# Altium PCB PCB5_制版20140402.PcbDoc (part 5 of 5) (continued)
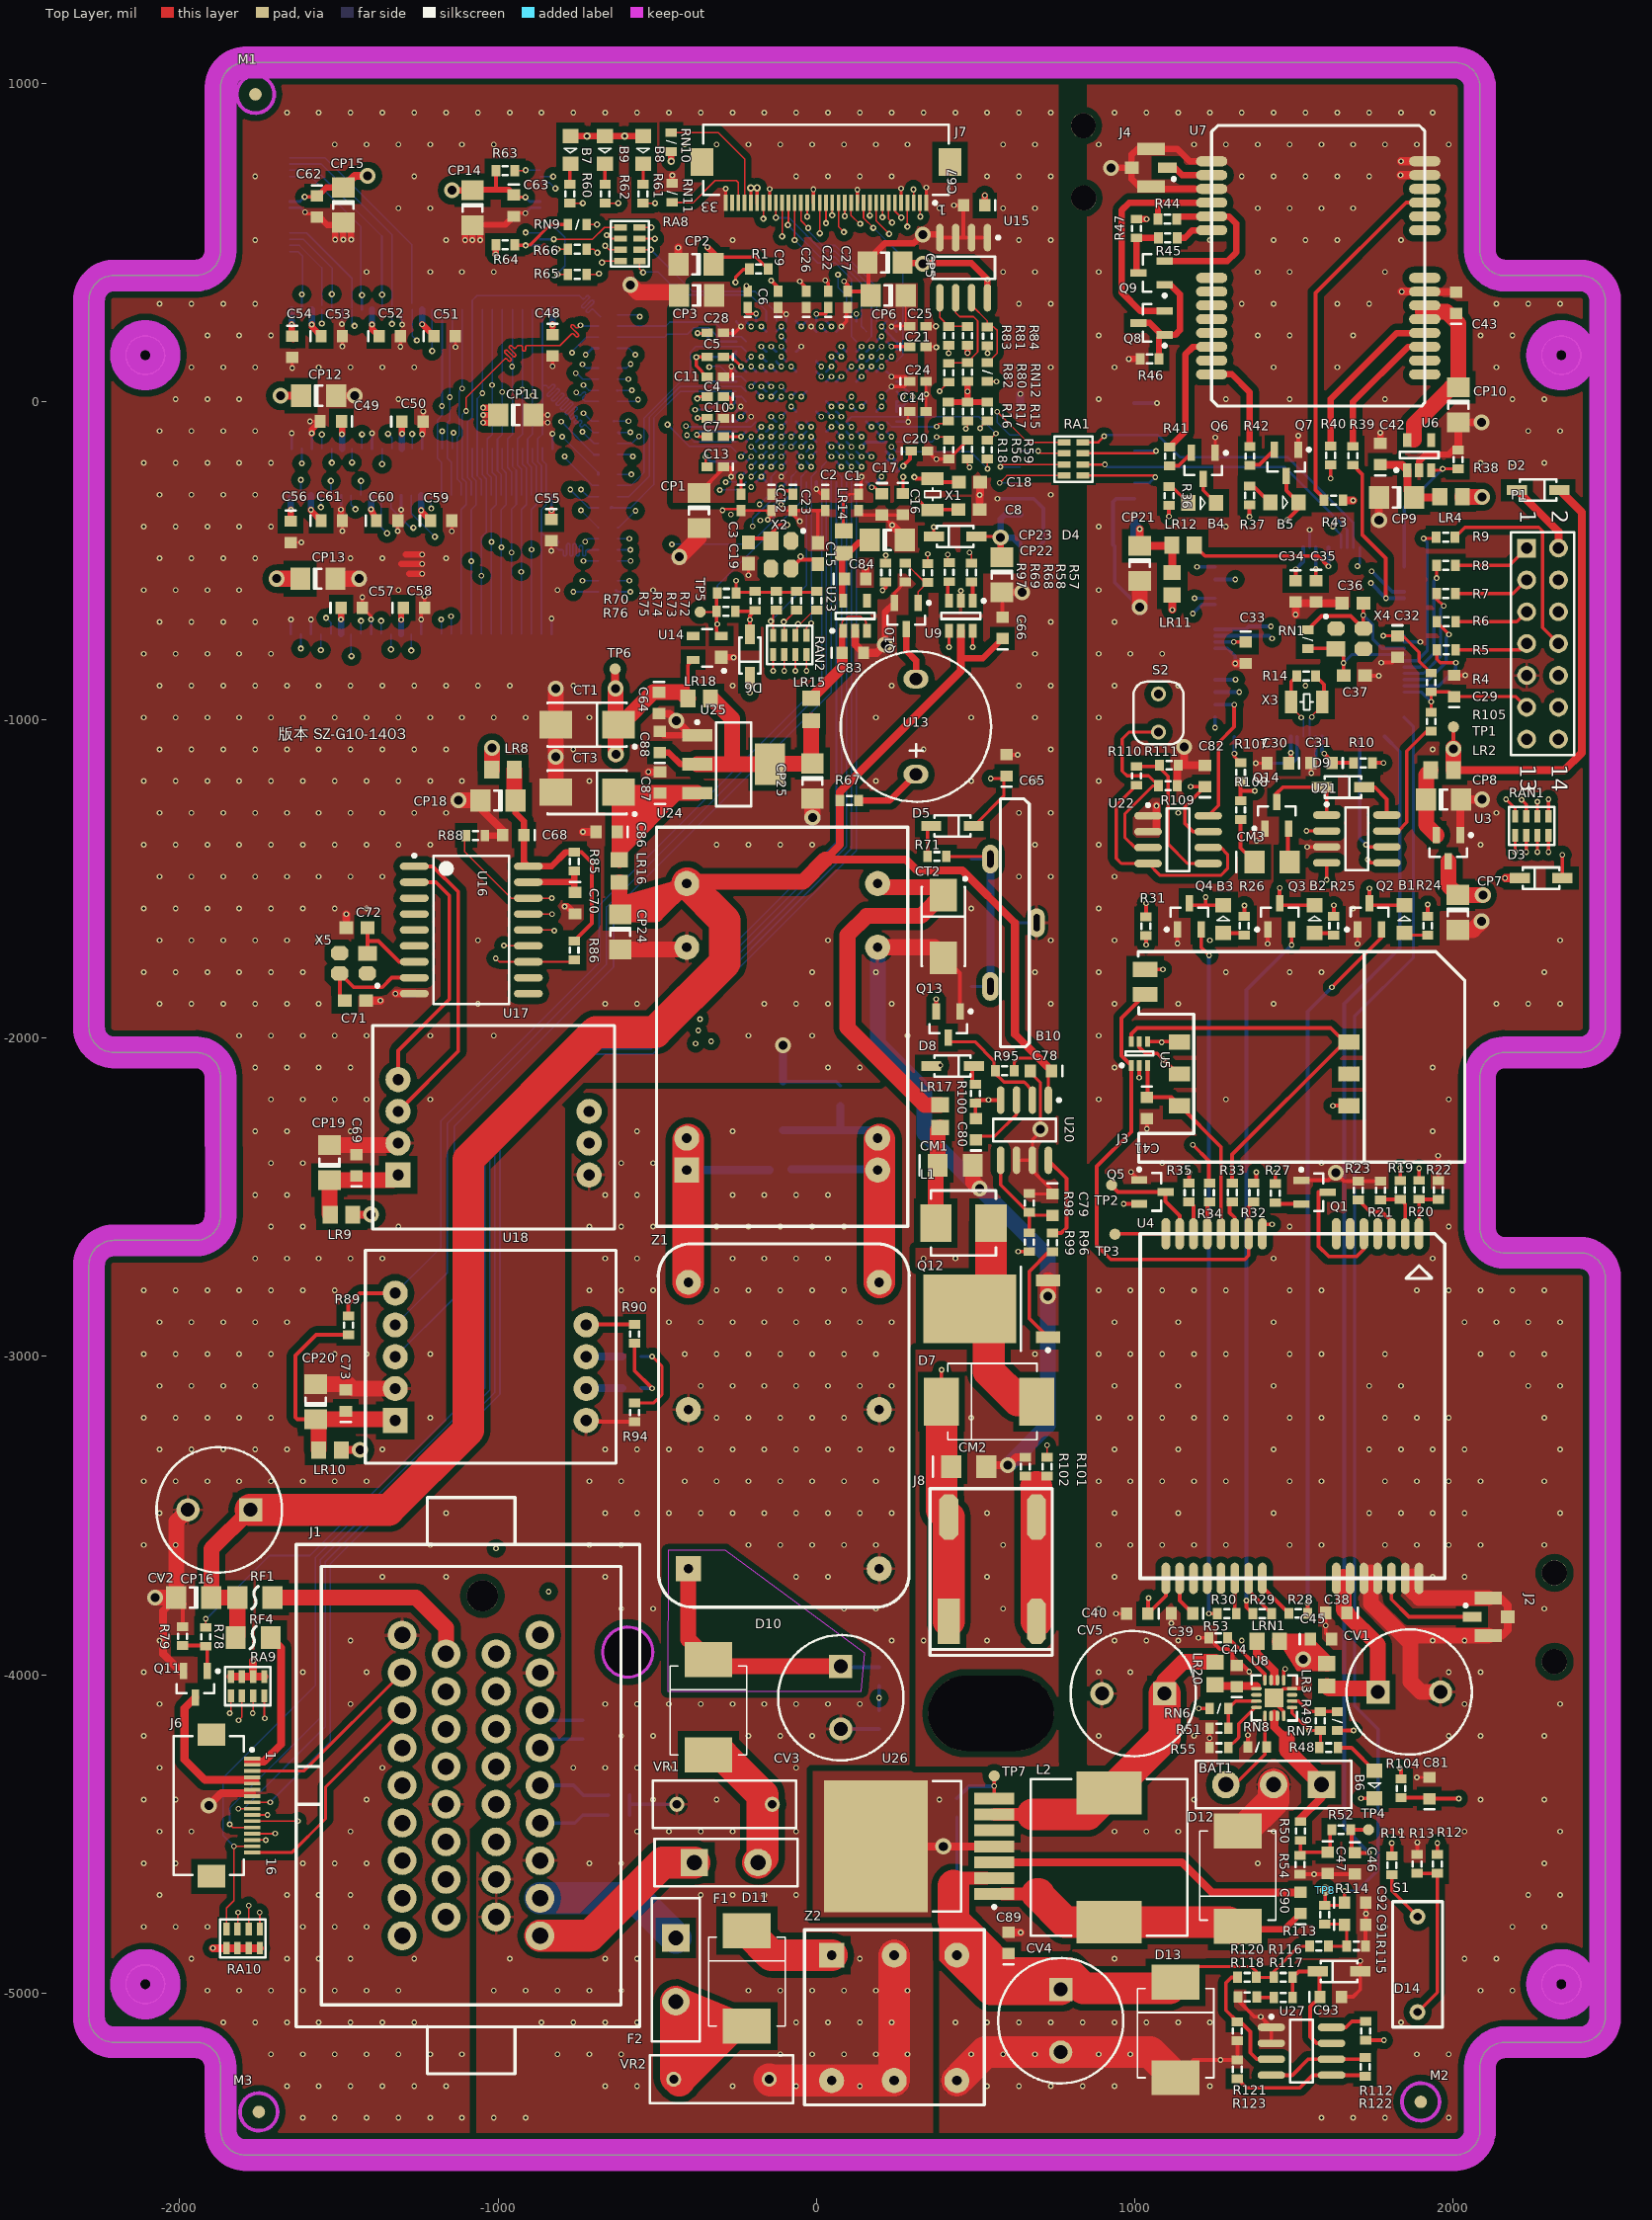
[diagram p0: Top Layer view]
## Nets (pads, with @x,y where several pads share a name; then routed paths per layer and width w, separated by ;. In a path a pad name is that pad's centre, name@x,y a point inside that pad or via, vN(x,y) a via of type N, cw(c..) or ccw(c..) an arc to the next point about the centre after c; other vN are vias at no path point) (continued)
  Top Layer w25: v1(-1896,-4859) RA10.1@-1853.5,-4859 RA10.2@-1818.5,-4859 RA10.3@-1783.5,-4859 RA10.4@-1748.5,-4859 ; RA9.4@-1839.5,-4006 RA9.3@-1804.5,-4006 RA9.2@-1769.5,-4006 ; v1(-1769.5,-3956.5) RA9.2@-1769.5,-4006 ; RA9.1@-1734.5,-4006 RA9.2@-1769.5,-4006 ; v4@-1699.28,-556.28 v4(-1695,-556.28) ; v4(-1683.28,18.72) CP12.1@-1618.36,18.72 ; LR10.1@-1492.57,-3294 v4@-1442,-3294 ; CP15.1@-1486,673.12 -1450.12,709 v4(-1410,709) ; LR9.1@-1456.57,-2555 v4@-1410,-2555 ; TP6.1@-632,-840 -632,-899.57 v4(-630.57,-901)
  Top Layer w50: v4(-1695,-556.28) CP13.1@-1621.36,-556.28 ; LR8.1@-1019.43,-1156 v4@-1019.43,-1091.43 ; v4@-630.57,-1107.43 -630.57,-1015 CT1.1@-621.57,-1015 -615,-1015 -512,-912 -424.43,-912 LR18.2@-403.43,-933 ; CT1.1@-630.57,-1010.57 v4(-630.57,-901)
  ADDR w12: v3(-1006.86,462.16) -1006.86,551.73 v3@-917.3,641.3
  Bottom Layer w5: U1.A9@-252.55,0 U1.A9@-251.97,0
  Bottom Layer w8: U12.37@-1655.02,628.57 -1621.96,628.57 v3(-1607.26,643.27) ; v3(-914.34,642.28) -900.63,628.57 U12.12@-867.62,628.57 ; v2(-832.05,-340.45) U11.27@-832.05,-293.5 ; v2(-268.01,-15.46) U1.A9@-252.55,0 ; v2(-236.22,-236.22) U1.B16@-220.47,-220.47 ; v2(-236.22,-173.23) U1.B14@-220.47,-157.48 ; v2(-236.22,-110.24) U1.B12@-220.47,-94.49 ; v2(-236.22,110.24) U1.B6@-220.47,94.49 ; U1.C1@-188.98,251.97 v2(-188.98,276.52) ; v2(-110.24,-269.68) -94.49,-253.94 U1.F17@-94.49,-251.97 ; v2(-47.24,-110.24) U1.H12@-31.5,-94.49 ; U1.H14@-31.5,-157.48 v2(-15.75,-141.73) ; U1.J1@0,251.97 v2(0,275.5) ; U1.K12@31.5,-94.49 v2(47.24,-78.74) ; U1.P14@157.48,-157.48 v2(173.23,-173.23) ; U1.T12@220.47,-94.49 v2(236.22,-110.24) ; U1.T3@220.47,188.98 v2(236.22,173.23) ; U1.U16@251.97,-220.47 270.16,-202.28 v3(272.76,-202.28)
  Bottom Layer w20: v2(-1650.94,-339.55) U11.1@-1650.94,-293.5 ; v2(-1647.94,242.45) U10.1@-1647.94,289.5 ; v2(-1587.95,-339.54) U11.3@-1587.95,-293.5 ; v2(-1584.95,242.46) U10.3@-1584.95,289.5 ; U11.49@-1493.46,-730.5 v2(-1493.46,-684.03) ; U10.49@-1490.46,-147.5 v2(-1490.46,-101.97) ; v2(-1398.98,-338.52) U11.9@-1398.98,-293.5 ; v2(-1395.98,242.48) U10.9@-1395.98,289.5 ; U11.43@-1304.49,-730.5 v2(-1304.49,-684.99) ; U10.43@-1301.49,-147.5 v2(-1301.49,-100.99) ; v2(-1241.5,-341) U11.14@-1241.5,-293.5 ; v2(-1238.5,243) U10.14@-1238.5,289.5 ; v2(-829.05,242.55) U10.27@-829.05,289.5 ; C77.1@638.54,-448 617.54,-427 v4(579,-427) 579,-369 593,-355 U19.1@640.87,-355
  other v4: -1434,-3294 -1399,-2554 -630,-1108 -1019.43,-1088.01 334,433
  other v6: -186,671.81
VDD5V: C66.1 C78.1 CP16.1 CP24.1 CV2.1 LR16.1 R67.2 R95.1 RF1.1 RF4.2 U9.5 U20.1 U24.14 | length 6804.1
  Top Layer w10: R95.1@621.53,-2102 621.53,-2075.47 634,-2063 699.46,-2063 ; U20.1@729,-2194.51 729,-2108.46 C78.1@734.46,-2103
  Top Layer w20: 454,-804 456,-806 523.46,-806 C66.1@585,-744.46
  Top Layer w25: U9.5@454,-720.24 454,-804 454,-846 74.23,-1225.77 R67.2@74.23,-1253.23 74.23,-1392.77 28.5,-1438.5 281.5,-1438.5 316,-1473 459,-1473 624,-1638 624,-1987.54 699.46,-2063 C78.1@739.46,-2103
  Top Layer w50: RF4.2@-1824.12,-3883 -1819.12,-3878 RF1.1@-1819.12,-3758 CP16.1@-1900.88,-3758 -1900.88,-3605.31 CV2.1@-1777.57,-3482 ; LR16.1@-619,-1510.43 -619,-1607.88 CP24.1@-616,-1610.88 -503.9,-1610.88 U24.14@-407.24,-1514.23 ; U24.14@-410,-1522 -403.5,-1515.5 -397,-1509 -42,-1509 28.5,-1438.5
  Top Layer w100: CV2.1@-1777.57,-3482 -1344,-3482 -1093.75,-3231.75 -1093.75,-2381.75 -693,-1981 -506,-1981 -288,-1763 -288,-1631 -403.5,-1515.5 U24.14@-406.01,-1512.99
VDD5V0: C86.1 C87.1 CT3.1 LR16.2 U25.3 | length 454.4
  Top Layer w50: LR16.2@-619,-1439.57 CT3.1@-619,-1229.57 ; CT3.1@-618.79,-1229.78 U25.3@-374.42,-1229.78
VDD12V: CM1.1 L1.1 LR17.2 | length 312.2
  Top Layer w50: L1.1@375.39,-2581 375.39,-2398.5 CM1.1@380.88,-2393 ; CM1.1@380.88,-2399 CM1.1@380.88,-2393 ; LR17.2@389,-2280.43 380.88,-2288.55 CM1.1@380.88,-2393
VDD24V: CV3.1 D10.2 R103.1 Z1.1 | length 827.1
  Top Layer w50: Z1.1@-402.24,-3667.23 -402.24,-3889.23 D10.2@-339.24,-3952.23 ; D10.2@-317.61,-3973.86 CV3.1@76.76,-3973.86
  Bottom Layer w12: CV3.1@76.76,-3973.86 79.5,-3976.6 R103.1@197.22,-3976.6
VDD_EXT_2.8V: C40.1 R32.1 U4.16 | length 1699.8
  Top Layer w12: v1(1044,-3759) 1042.22,-3760.78 C40.1@1042.22,-3808.23 1098.22,-3752.23 U4.16@1098.22,-3697.23 ; R32.1@1374.33,-2455.47 1382,-2447.8 v1(1382,-2421)
  ADDR w12: v1(1044,-3759) 1044,-2759 v1(1382,-2421)
VDD_RTC: C65.1 D4.2 D5.2 U1.N15 | length 1499.5
  Top Layer w10: D4.2@369.07,-424 v1@369.07,-394.07 ; D5.2@494.69,-1333.23 589.54,-1238.38 589.54,-1184 v1(548,-1184)
  ADDR w10: v2(141.73,-204.72) 210.29,-273.28 329.28,-273.28 369,-313 v1(369,-394) 548,-573 v1(548,-1184)
  Bottom Layer w8: U1.N15@125.99,-188.98 v2(141.73,-204.72)
VGPRS4V4: C38.1 CV1.1 LR3.2 U4.24 U4.25 | length 573.8
  Top Layer w50: LR3.2@1603.76,-4035.66 1611.09,-4043 1753.1,-4043 CV1.1@1764.33,-4054.23 1764.33,-3906.33 C38.1@1665.73,-3807.73 ; 1655,-3693 1657,-3695 1657,-3795.54 C38.1@1667.46,-3806
VGPS3V3: C43.1 CP10.1 U6.5 U7.5 U7.6 | length 564.1
  Top Layer w50: 1877.35,-119.98 1877.35,-71.65 1993.89,44.89 CP10.1@2016.76,44.89 2016.76,245.84 1979.6,283 1905,283
VJTAG: P1.4
VOUT: C45.1 CP7.1 LR3.1 LR4.1 LRN1.2 R11.1 U3.3 | length 1167.4
  Top Layer w10: R11.1@1808,-4569.17 v1(1808,-4529)
  Top Layer w50: LRN1.2@1455.19,-3895.23 1534.19,-3895.23 LR3.1@1603.76,-3964.79 ; U3.3@1985.76,-1444.57 1985.76,-1519.99 CP7.1@2015.76,-1549.99 v4(2093.99,-1549.99) ; LR4.1@2029.43,-299 v4(2091,-299)
  DATA w12: v4(1530,-3952) 1530,-3971 1808,-4249 v1(1808,-4529)
VUSB5V: 
WAKE_UP: R41.1 U7.26 | length 404
  Top Layer w20: R41.1@1110,-142.47 1159,-93.47 1159,148 1183.42,172.42 U7.26@1242.11,172.42
WDI: U2.5 U21.6 | length 416.1
  Top Layer w10: v1(1727,-1392) 1734,-1399 U21.6@1792.49,-1399
  Bottom Layer w10: U2.5@1707.24,-1052.47 1707.24,-1372.24 v1(1727,-1392)
XRST: D3.2 J1.11 | length 7548.6
  Top Layer w25: v1(2164,-1497) D3.2@2210.07,-1497
  DATA w10: J1.11@-1163.36,-4643.15 -1079,-4727.51 -1079,-4978 -722,-5335 1372,-5335 2109,-4598 2109,-3250 1665,-2806 1665,-2117.5 2164,-1618.5 v1(2164,-1497)
XTAL2_IN: C36.1 RN1.2 U2.89 X4.3 | length 488
  Top Layer w12: RN1.2@1544,-716.47 1587.47,-673 1678.8,-673 X4.3@1718.46,-712.66 ; C36.1@1718.46,-633 v1(1718.46,-671) X4.3@1718.46,-712.66 ; X4.3@1719.31,-713.5 X4.3@1718.46,-712.66
  Bottom Layer w10: v1(1718.46,-671) 1749,-701.54 1749,-747 1776.91,-774.91 U2.89@1847,-774.91
XTAL2_OUT: C37.1 RN1.1 U2.90 X4.1 | length 384.9
  Top Layer w10: RN1.1@1544,-775.53 1631.72,-775.53 X4.1@1632.69,-776.5 1656.54,-800.34 v1(1656.54,-821) C37.1@1656.54,-861
  Bottom Layer w10: v1(1656.54,-821) 1682.94,-794.6 U2.90@1847,-794.6
XTAL_IN: R14.2 U2.13 X3.2 | length 213.4
  Top Layer w5: v1@1549.76,-994.23 X3.2@1594.97,-949.02
  Top Layer w12: R14.2@1568.53,-862 1594.97,-888.44 X3.2@1594.97,-942.23
  Bottom Layer w5: U2.13@1549.76,-1052.47 v1@1549.76,-994.23
  other v1: 1556.76,-991.23
XTAL_OUT: R14.1 U2.14 X3.1 | length 213.8
  Top Layer w5: X3.1@1496.54,-943.23 1496.54,-964.02 1524.76,-992.23 v1(1523.76,-992.23)
  Top Layer w12: X3.1@1491.54,-943.23 1491.54,-879.93 R14.1@1509.47,-862
  Bottom Layer w5: v1(1523.76,-992.23) 1524.76,-992.23 1530.07,-997.54 U2.14@1530.07,-1052.47
XTCK: J1.2 RAN1.4 | length 8080
  Top Layer w10: v1(2300.5,-1415) RAN1.4@2300.5,-1363
  DATA w10: J1.2@-1301.16,-4702.21 -1375,-4776.05 -1375,-4880.49 -791.49,-5464 1423,-5464 2243,-4644 2243,-3197 1800,-2754 1800,-2155 2300.5,-1654.5 v1(2300.5,-1415)
XTDI: J1.3 RAN1.2 | length 7945.7
  Top Layer w10: v1(2230.5,-1415) RAN1.2@2230.5,-1363
  DATA w10: J1.3@-1301.16,-4584.1 -1231,-4654.25 -1231,-4925.5 -758.5,-5398 1400,-5398 2176,-4622 2176,-3218 1730,-2772 1730,-2137 2230.5,-1636.5 v1(2230.5,-1415)
XTDO: J1.10 RAN1.1 | length 7617.5
  Top Layer w10: v1(2195.5,-1415) RAN1.1@2195.5,-1363
  DATA w10: J1.10@-1163.36,-4761.26 -1162,-4762.62 -1162,-4945 -740,-5367 1386,-5367 2143,-4610 2143,-3232 1695,-2784 1695,-2130.5 2195.5,-1630 v1(2195.5,-1415)
XTIPLL: C15.1 U1.G14 X2.3 | length 462.5
  Top Layer w12: X2.3@-79.75,-524.54 -51.9,-496.69 ; v5(-49.24,-486.23) -49.24,-494.03 -51.9,-496.69 ; C15.1@4.76,-510.69 -9.24,-496.69 -51.9,-496.69
  ADDR w5: v5(-49.24,-486.23) -31.5,-468.48 -31.5,-188.98 v2(-47.24,-173.23)
  Bottom Layer w8: U1.G14@-62.99,-157.48 v2(-47.24,-173.23)
XTIRTC: C8.1 U1.M14 X1.2 | length 467.2
  Top Layer w10: v1(318,-307) 351.21,-340.21 X1.2@365,-340.21 366.21,-339 C8.1@446.54,-339
  ADDR w5: v2(110.24,-173.23) 125.74,-188.73 125.74,-255.26 177.47,-307 v1(318,-307)
  Bottom Layer w8: U1.M14@94.49,-157.48 v2(110.24,-173.23)
XTMS: J1.1 RAN1.3 | length 7805.3
  Top Layer w10: v1(2265.5,-1415) RAN1.3@2265.5,-1363
  DATA w10: J1.1@-1301.16,-4820.32 -1301.16,-4904.84 -773.99,-5432 1411.5,-5432 2208,-4635.5 2208,-3207 1765,-2764 1765,-2146 2265.5,-1645.5 v1(2265.5,-1415)
XTOPLL: C19.1 U1.G15 X2.1 | length 368.1
  Top Layer w12: C19.1@-215,-429.76 X2.1@-155.95,-429.76 ; X2.1@-142.74,-437.92 -142.74,-414.72 -115.24,-387.23 v5(-91.24,-387.23)
  ADDR w5: v5(-91.24,-387.23) -47.24,-343.23 v2(-47.24,-204.72)
  Bottom Layer w8: U1.G15@-62.99,-188.98 v2(-47.24,-204.72)
XTORTC: C18.1 U1.L12 X1.1 | length 467.5
  Top Layer w12: v5(308,-237) 312.79,-241.79 X1.1@365,-241.79 376.21,-253 C18.1@447.54,-253 C18.1@436.32,-241.79
  ADDR w5: v2(78.74,-110.24) 94.49,-125.98 158.06,-125.98 250.36,-218.28 291.76,-218.28 308,-234.53 v5(308,-237)
  Bottom Layer w8: U1.L12@62.99,-94.49 v2(78.74,-110.24)
pads on no net: J1. J1.12 J1.20 J1.21 J3.3@1086.26,-2347.23 J3.6 J6.17 J6.18 J7.32 J7.34 J7.35 M1.1 M2.1 M3.1 P1.6 P1.10 P1.12 P1.13 P1.14 RA7.3 RA7.4 RA7.5 RA7.6 U1.B2 U1.C2 U1.C3 U1.C4 U1.C5 U1.C9 U1.C10 U1.D3 U1.D9 U1.D10 U1.D11 U1.E3 U1.E7 U1.E10 U1.F6 U1.F7 U1.F9 U1.G2 U1.G3 U1.G5 U1.G7 U1.G9 U1.H2 U1.H3 U1.H4 U1.H5 U1.H6 U1.H7 U1.H9 U1.H10 U1.J3 U1.J4 U1.J8 U1.J9 U1.J12 U1.K3 U1.K4 U1.K8 U1.K11 U1.L1 U1.L3 U1.L6 U1.L8 U1.M2 U1.M3 U1.M5 U1.M7 U1.M8 U1.M10 U1.N2 U1.N8 U1.N13 U1.P1 U1.P7 U1.P8 U1.P10 U1.P15 U1.P16 U1.R2 U1.R7 U1.R8 U1.R9 U1.R14 U1.R15 U1.R16 U1.T4 U1.T7 U1.T16 U1.T17 U1.U6 U1.U12 U1.U17 U2.17 U2.52 U2.55 U2.56 U2.58 U4.4 U4.6 U4.7 U4.18 U4.19 U4.20 U6.4 U7. U7.1 U7.2 U7.3@1796.76,50.45 U7.8 U7.9 U7.10 U7.12 U7.21 U7.22 U7.23 U7.24 U7.25 U7.27 U8.12@1388.76,-4123.23 U8.14 U10.40 U11.40 U12.1 U12.2 U12.3 U12.4 U12.5 U12.6 U12.10 U12.11 U12.14 U12.15 U12.20 U12.21 U12.22 U12.23 U12.24 U12.25 U12.26 U12.27 U12.28 U12.33 U12.34 U12.35 U12.38 U12.39 U12.40 U12.45 U12.46 U12.47 U12.48 U14.3 U16.3 U16.4 U16.5 U16.6 U16.10 U16.11 U19.7 U19.10 U23.4 U26.5 X2.2 X2.4 X4.2 X4.4 X5.2 X5.4

## Polygon pours and split planes (outlines as drawn)
DGND on Bottom Layer "Bottom Layer-DGND" (solid, remove dead copper, pour order 10): -1078.54,-5459.21 -1079.75,-5458 -2301,-5458 -2301,669.65 -1902.08,1068.57 808,1068.57 808,-4277.6 797.91,-4287.69 312.09,-4287.69 312.09,-2168.62 292.02,-2148.55 282.38,-2138.91 -731.55,-2138.91 -801.38,-2208.75 -789.34,-2220.78 -789.34,-3998.47 -789.34,-4185.47 -1083.64,-4479.76 -1088.73,-4484.86 -1088.73,-5450.87
EGND on Bottom Layer "Bottom Layer-EGND" (solid, remove dead copper, pour order 12): -1083,-5524 -1088.73,-5518.27 -1088.73,-4485.62 -1084.62,-4485.62 -782,-4183 -789.34,-4175.66 -789.34,-2220.78 -789.34,-2202.34 -729,-2142 -725.91,-2138.91 282.38,-2138.91 282.38,-2149 312.09,-2178.71 312.09,-4283.53 -20.53,-4283.53 -31,-4294 -31,-4739 -31,-4772 -21,-4782 366,-4782 366,-5518 359,-5525 359,-5526
GGND on Bottom Layer "Bottom Layer-GGND" (solid, remove dead copper, pour order 14): 350,-5523 361.05,-5511.95 361.05,-4777.62 -23.63,-4777.62 -26.24,-4780.23 -23.69,-4777.68 -23.69,-4298.33 797.45,-4298.33 798,-4297.78 806,-4289.78 806,1042 2273,1042 2276,1039 2481.57,833.42 2484.92,833.42 2484.92,-5505.43
GGND on Top Layer "Top Layer-GGND" (solid, remove dead copper, pour order 13): 350,-5523 361.05,-5511.95 361.05,-4777.62 -23.63,-4777.62 -26.24,-4780.23 -23.69,-4777.68 -23.69,-4298.33 797.45,-4298.33 798,-4297.78 806,-4289.78 806,1042 2273,1042 2276,1039 2481.57,833.42 2484.92,833.42 2484.92,-5505.43
EGND on Top Layer "Top Layer-EGND" (solid, remove dead copper, pour order 11): -1083,-5524 -1088.73,-5518.27 -1088.73,-4485.62 -1084.62,-4485.62 -782,-4183 -789.34,-4175.66 -789.34,-2220.78 -789.34,-2202.34 -729,-2142 -725.91,-2138.91 282.38,-2138.91 282.38,-2149 312.09,-2178.71 312.09,-4283.53 -20.53,-4283.53 -31,-4294 -31,-4739 -31,-4772 -21,-4782 366,-4782 366,-5518 359,-5525 359,-5526
DGND on Top Layer "Top Layer-DGND" (solid, remove dead copper, pour order 9): -1078.54,-5459.21 -1079.75,-5458 -2301,-5458 -2301,669.65 -1902.08,1068.57 808,1068.57 808,-4277.6 797.91,-4287.69 312.09,-4287.69 312.09,-2168.62 292.02,-2148.55 282.38,-2138.91 -731.55,-2138.91 -801.38,-2208.75 -789.34,-2220.78 -789.34,-3998.47 -789.34,-4185.47 -1083.64,-4479.76 -1088.73,-4484.86 -1088.73,-5450.87
VDD1.3V on Top Layer "Top Layer-VDD1.3V" (solid, remove dead copper, pour order 8): -446.44,377 -450,373.81 -450,-318 319,-318 319,371.29
EGND on GND (split plane): 291.91,-2167.18 291.91,-4287.69 -30,-4287.69 -32.61,-4288.03 -35.04,-4289.04 -37.13,-4290.64 -38.74,-4292.73 -39.74,-4295.17 -40.09,-4297.78 -40.09,-4779.02 -39.74,-4781.63 -38.74,-4784.06 -37.13,-4786.15 -35.93,-4787.36 -33.84,-4788.96 -33.12,-4789.26 -31.4,-4789.97 -28.79,-4790.31 339.91,-4790.31 339.91,-5459.21 -1078.54,-5459.21 -1078.54,-4481.88 -935.35,-4338.68 -934.24,-4337.03 -933.85,-4335.08 -933.85,-4150.18 -785.86,-4002.19 -784.16,-4000.89 -782.56,-3998.8 -781.55,-3996.37 -781.21,-3993.76 -781.21,-2212.92 -727.37,-2159.09 283.82,-2159.09
GGND on GND (split plane): 194 vertices, not listed, extent -19.91,-5459.24 2428.32,1015.53
DGND on GND (split plane): 211 vertices, not listed, extent -2235.36,-5459.24 797.91,1015.53
VOUT on VCC (split plane): 1964.84,475.03 1964.85,474.82 1965.21,463.02 1966.29,451.06 1968.1,439.19 1970.62,427.45 1973.85,415.88 1977.76,404.52 1982.36,393.43 1987.62,382.63 1993.52,372.17 2000.04,362.08 2007.16,352.41 2014.85,343.18 2023.08,334.43 2031.83,326.2 2041.05,318.51 2050.73,311.4 2060.81,304.87 2071.27,298.97 2082.07,293.72 2093.17,289.12 2104.52,285.2 2116.09,281.98 2127.83,279.46 2139.71,277.65 2151.67,276.56 2163.47,276.21 2163.67,276.2 2358.28,276.2 2358.28,-1924.56 2163.67,-1924.56 2163.47,-1924.57 2151.67,-1924.93 2139.71,-1926.02 2127.83,-1927.82 2116.09,-1930.34 2104.52,-1933.57 2093.17,-1937.49 2082.07,-1942.08 2071.27,-1947.34 2060.81,-1953.24 2050.73,-1959.76 2041.05,-1966.88 2031.83,-1974.57 2023.08,-1982.8 2014.85,-1991.55 2007.16,-2000.77 2000.04,-2010.45 1993.52,-2020.53 1987.62,-2031 1982.36,-2041.79 1977.76,-2052.89 1973.85,-2064.24 1970.62,-2075.81 1968.1,-2087.56 1966.29,-2099.43 1965.21,-2111.39 1964.85,-2123.19 1964.84,-2123.4 1964.84,-2595.84 1964.85,-2596.05 1965.21,-2607.84 1966.29,-2619.8 1968.1,-2631.68 1970.62,-2643.42 1973.85,-2654.99 1977.76,-2666.34 1982.36,-2677.44 1987.62,-2688.24 1993.52,-2698.7 2000.04,-2708.79 2007.16,-2718.46 2014.85,-2727.69 2023.08,-2736.43 2031.83,-2744.67 2041.05,-2752.35 2050.73,-2759.47 2060.81,-2765.99 2071.27,-2771.89 2082.07,-2777.15 2093.17,-2781.75 2104.52,-2785.67 2116.09,-2788.89 2127.83,-2791.41 2139.71,-2793.22 2151.67,-2794.31 2163.47,-2794.66 2163.67,-2794.67 2358.28,-2794.67 2358.28,-4290.68 809.85,-4290.68 809.85,867.5 1964.84,867.5
VCC on VCC (split plane): 2032.9,-399.11 2032.9,-1719.9 940.1,-1719.9 940.1,-270.1 1903.89,-270.1
VDD3V3 on VCC (split plane): 1964.84,877.7 808.25,877.7 806.71,878.73 804.76,879.11 -1725.53,879.11 -1727.48,878.73 -1729.13,877.62 -1751.67,855.08 -1751.67,945.49 1964.84,945.49
GGND on VCC (split plane): 2358.28,-5034.8 2163.67,-5034.8 2163.47,-5034.81 2151.67,-5035.17 2139.71,-5036.25 2127.83,-5038.06 2116.09,-5040.58 2104.52,-5043.81 2093.17,-5047.72 2082.07,-5052.32 2071.27,-5057.58 2060.81,-5063.48 2050.73,-5070 2041.05,-5077.12 2031.83,-5084.81 2023.08,-5093.04 2014.85,-5101.79 2007.16,-5111.01 2000.04,-5120.69 1993.52,-5130.77 1987.62,-5141.23 1982.36,-5152.03 1977.76,-5163.13 1973.85,-5174.48 1970.62,-5186.05 1968.1,-5197.79 1966.29,-5209.67 1965.21,-5221.63 1964.85,-5233.43 1964.84,-5233.63 1964.84,-5363.45 352.31,-5363.45 352.31,-4781.23 352.11,-4780.25 351.56,-4779.43 350.56,-4778.43 349.73,-4777.87 348.76,-4777.68 -23.69,-4777.68 -23.69,-4297.78 293.25,-4297.78 293.78,-4298.13 294.76,-4298.33 804.76,-4298.33 805.73,-4298.13 806.71,-4297.94 808.36,-4296.83 809.07,-4295.78 2358.28,-4295.78
EGND on VCC (split plane): 292.02,-2999.23 292.21,-3000.17 292.21,-4292.68 -26.24,-4292.68 -27.22,-4292.87 -28.05,-4293.43 -28.6,-4294.25 -28.79,-4295.23 -28.79,-4780.23 -28.6,-4781.2 -28.05,-4782.03 -27.22,-4782.58 -26.24,-4782.78 347.21,-4782.78 347.21,-5363.45 -1430.9,-5363.45 -1430.9,-4937.59 -1084.43,-4591.11 -814,-4591.11 -812.05,-4590.73 -810.4,-4589.62 -809.29,-4587.97 -808.9,-4586.02 -809.29,-4584.07 -810.4,-4582.41 -811.45,-4581.71 -811.45,-2235.06 -724.94,-2148.55 292.02,-2148.55
VDD3V3 on VCC (split plane): -2034.6,-5034.8 -2165.32,-5034.8 -2165.32,-2755.37 -2034.6,-2755.37
VDD3V3 on VCC (split plane): -2034.6,-1924.56 -2165.32,-1924.56 -2165.32,276.2 -2034.6,276.2
VDD3V3 on VCC (split plane): 1964.84,-5389.2 -1751.67,-5389.2 -1751.67,-5373.64 1964.84,-5373.64
VDD3V3 on VCC (split plane): 203 vertices, not listed, extent -2024.4,-5363.45 799.66,868.92

## Keep-outs
Top Layer:
  region net VDD24V: -466,-3610 -467,-4052 142,-4052 152,-3932 -286,-3609
Keep-Out Layer:
  circle w94.49: c2340.58,145.83 r62.99
  circle w94.49: c2340.58,-4972.28 r62.99
  circle w94.49: c-2108.24,145.83 r62.99
  circle w94.49: c-2108.24,-4972.28 r62.99
  circle w10: c-592.49,-3928.98 r78.74
  lines w100: -2285.41,-5076.15 ccw(c-2206.67,-5076.15) -2206.67,-5154.89 -1950.5,-5154.89 cw(c-1950.5,-5233.63) -1871.76,-5233.63 -1871.76,-5430.55 ccw(c-1793.02,-5430.55) -1793.02,-5509.29 2005.93,-5509.29 ; -2285.41,-5075.24 -2285.41,-2714.02 cw(c-2206.67,-2714.02) -2206.67,-2635.28 -1950.5,-2635.28 ccw(c-1950.5,-2556.54) -1871.76,-2556.54 ; -1871.03,-2557.52 -1871.76,-2123.4 ccw(c-1950.5,-2123.4) -1950.5,-2044.66 -2206.67,-2044.66 cw(c-2206.67,-1965.92) -2285.41,-1965.92 -2285.41,317.55 cw(c-2206.67,317.55) -2206.67,396.29 -1950.5,396.29 ccw(c-1950.5,475.03) -1871.76,475.03 -1871.76,986.84 cw(c-1793.02,986.84) -1793.02,1065.58 2006.19,1065.58 cw(c2006.19,986.84) 2084.93,986.84 2084.93,475.03 ccw(c2163.67,475.03) 2163.67,396.29 2399.63,396.29 cw(c2399.63,317.55) 2478.37,317.55 2478.37,-1965.92 cw(c2399.63,-1965.92) 2399.63,-2044.66 2163.67,-2044.66 ccw(c2163.67,-2123.4) 2084.93,-2123.4 2084.93,-2595.84 ccw(c2163.67,-2595.84) 2163.67,-2674.58 2399.63,-2674.58 cw(c2399.63,-2753.32) 2478.37,-2753.32 ; 2006.19,-5509.29 ccw(c2006.19,-5430.55) 2084.93,-5430.55 2084.93,-5233.63 cw(c2163.67,-5233.63) 2163.67,-5154.89 2399.63,-5154.89 ccw(c2399.63,-5076.15) 2478.37,-5076.15 2478.37,-2755.37
Mechanical 5:
  circle w10: c-2162.14,-6134.84 r137.8

## Other copper
Top Layer:
  region net VDD5V0: -607,-1249 -607,-1418 -601,-1424 -420,-1243 -417,-1243
  region net VOUT: 1457,-3905 1510,-3988 1603.76,-3989 1604,-3989 1519,-3904 1458,-3904
  region net VCC24V: 385,-4654 386,-4897 457,-4967 496,-4929 496,-4799
  region net NetD11_1: -463,-4989 -437,-4977 -226,-5064 -226,-5072 -388,-5234
  region net VDD5V: -439.99,-1509.44 -443,-1505 -600,-1550 -601,-1547 -601,-1588 -593,-1596 -508,-1596
  pour cut-out: -233,377 210,377 210,312 -232,312 -233,311
GND (plane layer: these items are gaps in the copper):
  lines w10: -1083.64,-5504.43 -2303.08,-5504.43 -2303.08,667.57 -1902.08,1068.57 808,1068.57 ; -789.34,-3998.47 -938.95,-4148.07 -938.95,-4335.08 -1083.64,-4479.76 -1083.64,-5505.43 240.1,-5505.43 ; 871.09,1063.47 2082.53,1063.47 2484.92,661.08 2484.92,-5505.43 ; 240.1,-5505.43 2484.92,-5505.43 ; 240.1,-5505.43 2484.92,-5505.43
  lines w20: -791.3,-3993.76 -791.3,-2208.75 -731.55,-2149 288,-2149 302,-2163 302,-4288.53 ; 350,-5523 350,-4781.53 351.31,-4780.23 -28.79,-4780.23 -30,-4779.02 -30,-4297.78 806.71,-4297.78 ; 808,-4298.13 808,1068.57
VCC (plane layer: these items are gaps in the copper):
  lines w5: -814,-4586.02 -814,-2234 -726,-2146 292.02,-2146 ; 294.57,-2999.23 294.57,-2146 ; 294.76,-4295.78 804.76,-4295.78 ; 294.76,-2999.23 294.76,-4295.23 -26.24,-4295.23 -26.24,-4780.23 348.76,-4780.23 349.76,-4781.23 349.76,-5364.54 ; 380.92,-5368.54 382.92,-5366.54 ; 804.76,-4293.23 2488,-4293.23
  lines w10: -1701.75,349.96 -1701.75,-824.25 -515.74,-824.25 ; -1701.75,355.06 -1701.75,872.05 -1699.78,874.02 -817.91,874.02 ; -1436,-5364.61 -1436,-4935.47 -1086.54,-4586.02 -814,-4586.02 ; -823.79,349.96 -823.79,868.14 ; -500.98,538.39 -499.02,540.35 ; 773.76,872.6 2065.97,872.6 ; 804.76,-4293.23 804.76,874.02 -1725.53,874.02 -2029.5,570.04 -2029.5,-5368.54 2065.97,-5368.54 ; 935,-1725 935,-265 1906,-265 2038,-397 2038,-1725 935,-1725

## Silkscreen, mask and mechanical layers (free items; w line width, h text height)
Top Overlay:
  text "版本 SZ-G10-1403" at -1690,-1073 h60
Bottom Solder:
  lines w47.24: -355,-353.66 -355,-187 ; -354.33,-354.33 -307.33,-354.33 ; -354.33,282 -354.33,301 ; -149,354.33 33,354.33 ; 160,-356 352.66,-356 ; 304,354.33 354.33,354.33 354.33,78 ; 354.33,-273 355,-191
PCB Boundary 1:
  lines w5: -2285.41,-5076.15 ccw(c-2206.67,-5076.15) -2206.67,-5154.89 -1950.5,-5154.89 cw(c-1950.5,-5233.63) -1871.76,-5233.63 -1871.76,-5430.55 ccw(c-1793.02,-5430.55) -1793.02,-5509.29 2005.93,-5509.29 ; -2285.41,-5075.24 -2285.41,-2714.02 cw(c-2206.67,-2714.02) -2206.67,-2635.28 -1950.5,-2635.28 ccw(c-1950.5,-2556.54) -1871.76,-2556.54 ; -1871.03,-2557.52 -1871.76,-2123.4 ccw(c-1950.5,-2123.4) -1950.5,-2044.66 -2206.67,-2044.66 cw(c-2206.67,-1965.92) -2285.41,-1965.92 -2285.41,317.55 cw(c-2206.67,317.55) -2206.67,396.29 -1950.5,396.29 ccw(c-1950.5,475.03) -1871.76,475.03 -1871.76,986.84 cw(c-1793.02,986.84) -1793.02,1065.58 2006.19,1065.58 cw(c2006.19,986.84) 2084.93,986.84 2084.93,475.03 ccw(c2163.67,475.03) 2163.67,396.29 2399.63,396.29 cw(c2399.63,317.55) 2478.37,317.55 2478.37,-1965.92 cw(c2399.63,-1965.92) 2399.63,-2044.66 2163.67,-2044.66 ccw(c2163.67,-2123.4) 2084.93,-2123.4 2084.93,-2595.84 ccw(c2163.67,-2595.84) 2163.67,-2674.58 2399.63,-2674.58 cw(c2399.63,-2753.32) 2478.37,-2753.32 ; 2006.19,-5509.29 ccw(c2006.19,-5430.55) 2084.93,-5430.55 2084.93,-5233.63 cw(c2163.67,-5233.63) 2163.67,-5154.89 2399.63,-5154.89 ccw(c2399.63,-5076.15) 2478.37,-5076.15
Gerber ID 2:
  lines w10: -2283.44,-5248.47 -1919.27,-5248.47
Mechanical 5:
  circle w10: c2402.91,-1584.81 r78.74
  circle w10: c2404.79,-3993.69 r137.8
  circle w10: c-2162.14,-4006.07 r137.8
  circle w10: c-2162.14,-6134.84 r62.99
  circle w10: c2340.58,-4972.28 r137.8
  circle w10: c2340.58,145.83 r78.74
  circle w10: c-2162.4,-5568.35 r78.74
  circle w5: c313.28,-1021.03 r229.39
  lines w10: -4574.05,-9600.84 -4574.05,-1998.95 ; -3931.05,-9136.84 -3931.05,-1534.95 ; -3896.05,-8396.84 -3896.05,-794.95 ; -2319.62,-6134.84 -2162.14,-6134.84 ; -2319.62,-3848.58 2168.57,-3848.58 ; -2319.62,-1722.6 -2024.35,-1722.6 -2024.35,-1447.01 -2319.62,-1447.01 ; -1918.05,-6269.84 -1918.05,1332.05 ; -1918.05,1702.6 2168.57,1702.6 ; -1729.07,-6269.84 -1729.07,816.77 ; -1715.07,875.82 2073.38,875.82 ; -1571.59,-4425.08 -1650.33,-4425.08 -1650.33,-4267.6 -1571.59,-4267.6 ; 327.66,1997.87 -2319.62,1997.87 -2319.62,-6269.84 -2319.62,-6640.4 -2437.73,-6640.4 -2437.73,-6269.84 2680.38,-6269.84 ; 2064.24,-6239.84 2064.24,1649.6 ; 2168.57,-6269.84 2168.57,1734.6 ; 2188.25,-2689.84 2562.27,-2689.84 ; 2560.39,-1722.6 2186.38,-1722.6 2186.38,-1447.01 2560.39,-1447.01 ; 2562.27,-6269.84 2562.27,842.05 ; -1571.59,-5074.69 -587.34,-5074.69 -587.34,-3617.99 -1571.59,-3617.99 -1571.59,-5074.69 ; -607.02,1190.79 -607.02,1427.01 652.82,1427.01 652.82,1190.79 -607.02,1190.79
Drill Drawing:
  text ".Legend" at 3196,-5590 h60

## Text inside footprints (layer, text, board x,y; h text height)
J6: Top Overlay "16" at -1727.15,-4574.55 h31.5 r270; Top Overlay "1" at -1729.15,-4240.55 h31.5 r270
J7: Top Overlay "33" at -306.96,626.56 h31.5 r180; Top Overlay "1" at 410.04,616.56 h31.5 r180
P1: Top Overlay "13" at 2211.76,-1140.23 h50 r270; Top Overlay "14" at 2311.76,-1140.23 h50 r270; Top Overlay "1" at 2211.76,-340.23 h50 r270; Top Overlay "2" at 2311.76,-340.23 h50 r270
U24: Bottom Overlay "5V" at -302.24,-1474.23 h31.5 r90; Bottom Overlay "0V" at -297.24,-1689.23 h31.5 r90; Bottom Overlay "24V" at -297.24,-2339.23 h31.5 r90; Bottom Overlay "GND" at 117.76,-2319.23 h31.5 r90; Bottom Overlay "12V" at 127.76,-1464.23 h31.5 r90